# KiCad board rabbit_mask_capacitors_right.kicad_pcb (continued)
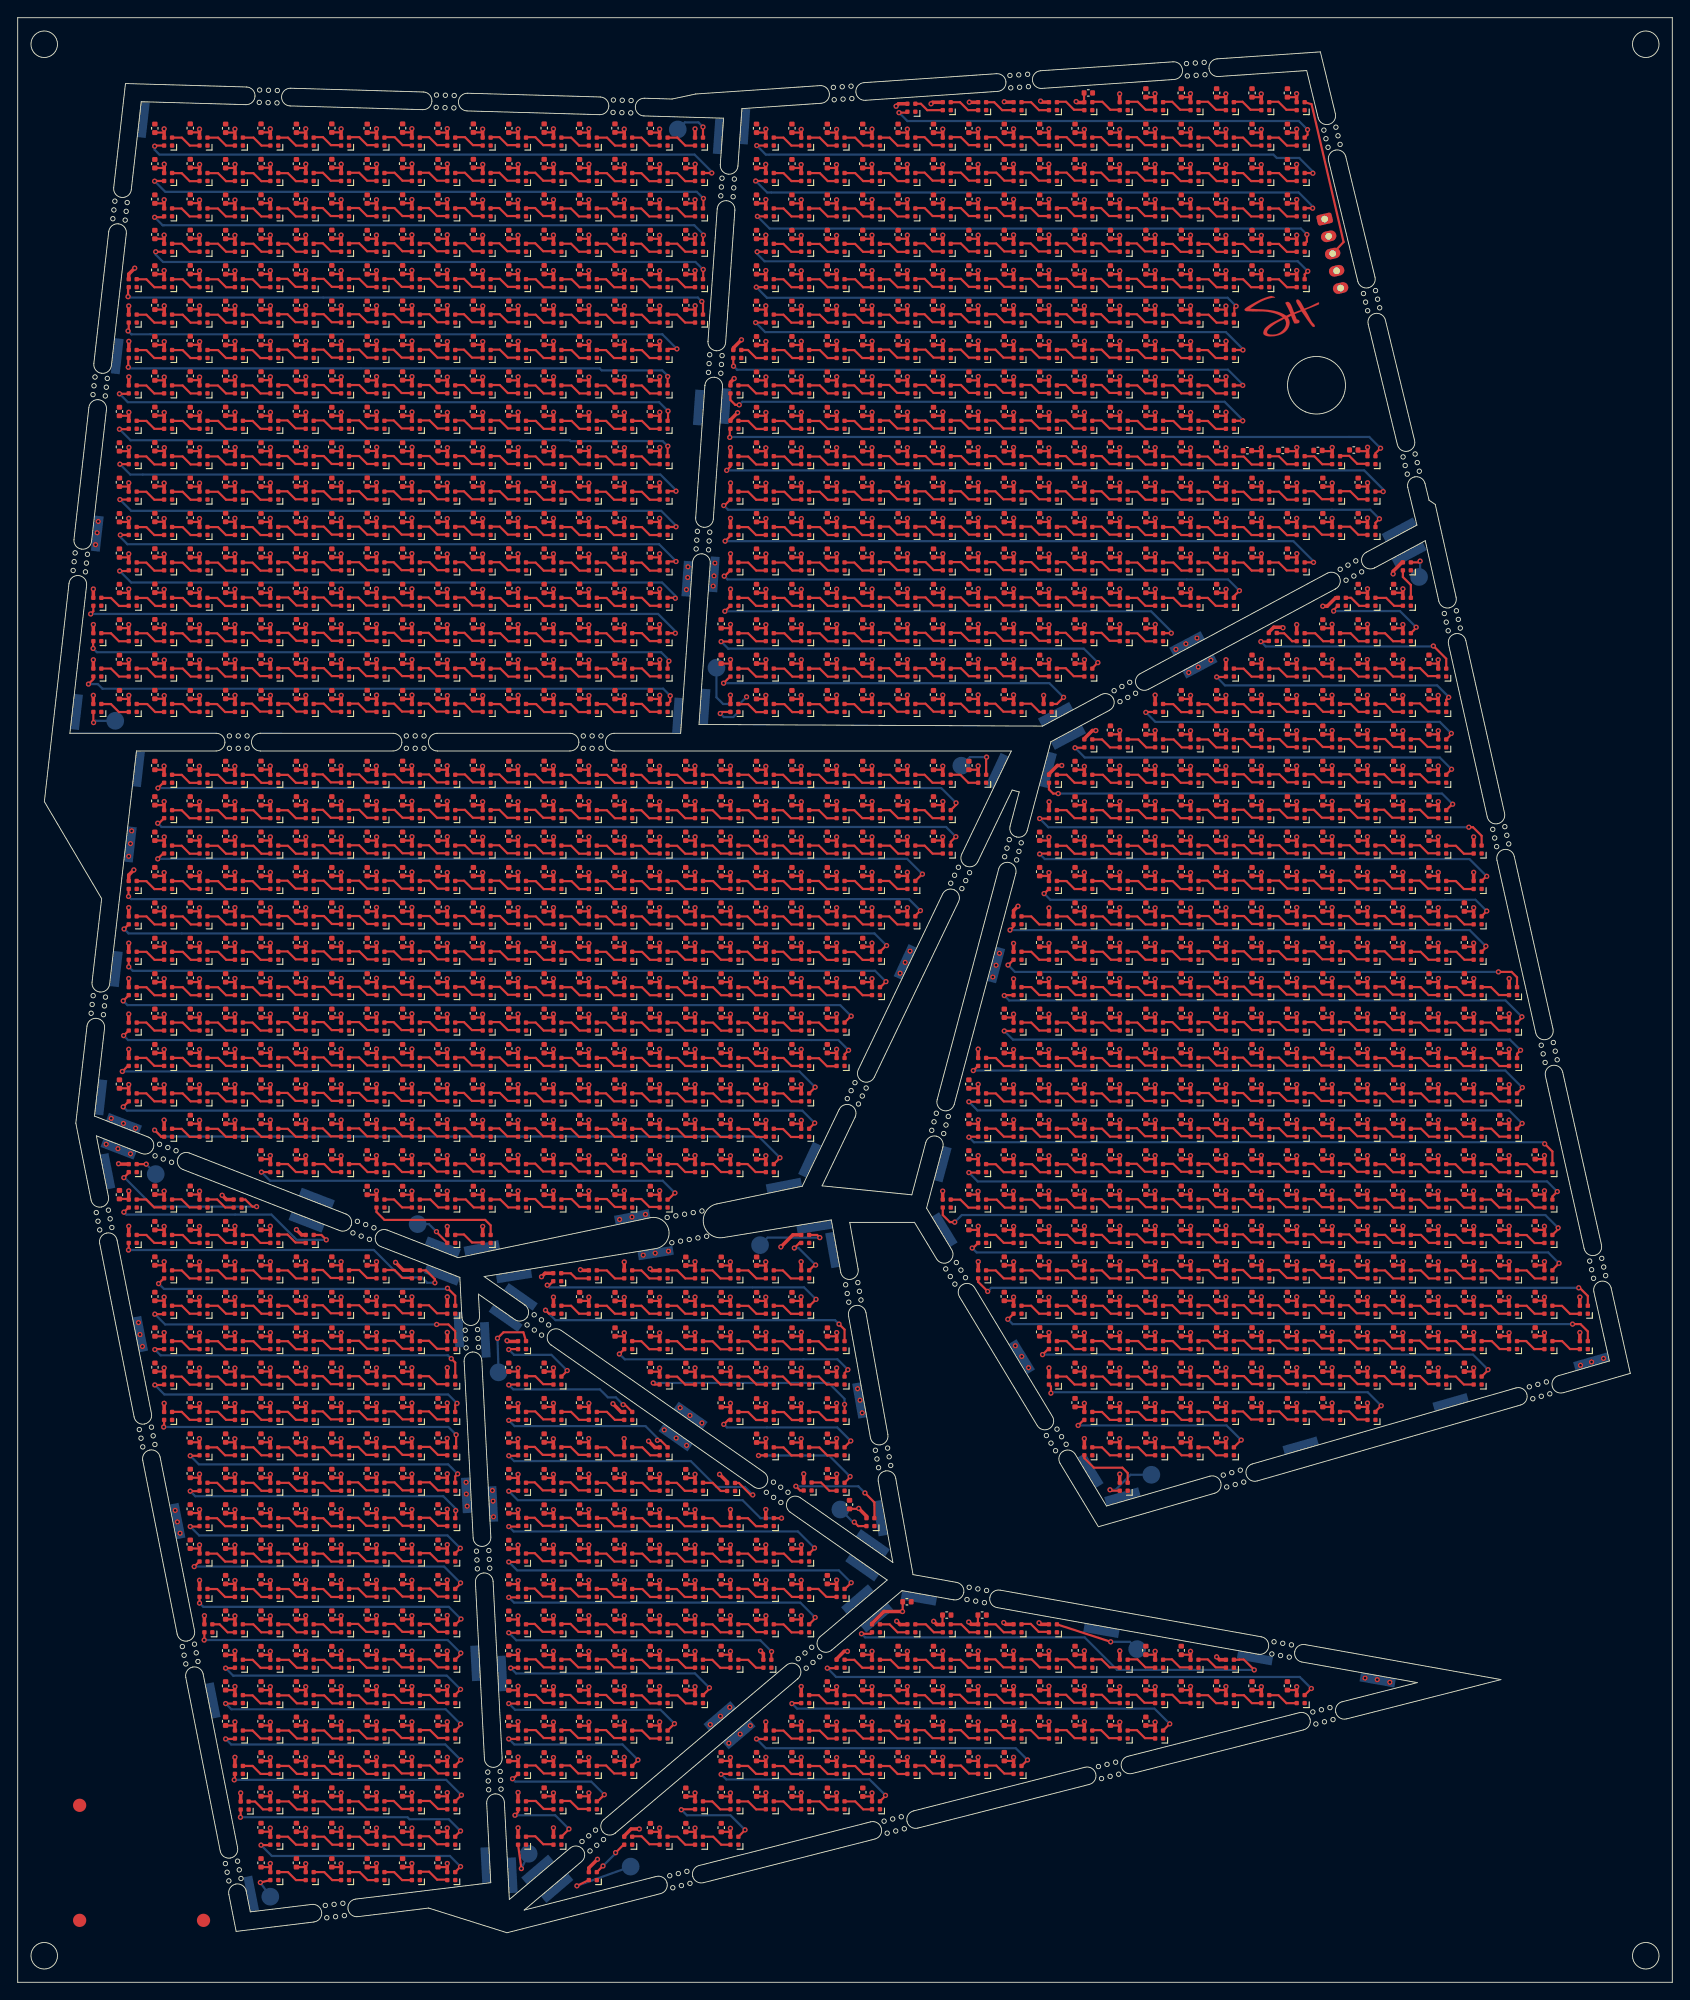
[diagram p0: board, top side]
## Nets (continued)
Net-(D2953-DIN): D2953.1 D2954.3
Net-(D2954-DIN): D2954.1 D2955.3
Net-(D2956-DIN): D2956.1 D2957.3
Net-(D2958-DIN): D2958.1 D2959.3
Net-(D2958-DOUT): D2958.3 D2968.1
Net-(D2959-DIN): D2959.1 D2960.3
Net-(D2960-DIN): D2960.1 D2961.3
Net-(D2962-DIN): D2962.1 D2963.3
Net-(D2963-DIN): D2963.1 D2964.3
Net-(D2964-DIN): D2964.1 D2965.3
Net-(D2965-DIN): D2965.1 D2966.3
Net-(D2966-DIN): D2966.1 D2967.3

## Via types
v1: diameter 0.6, hole 0.3, Top to Bottom, 1803 vias

## Routing (per net, layer and track width the routed paths; a pad name or vN(x,y) marks a point on that pad's centre or on a via; arc(x,y) is an arc through that point)
GND: length 1.3
  Bottom w0.25: v1(82.38,145.25) 81.57,144.45 D1625.4
  vias: v1(8.8,162.45) v1(8.97,163.8) v1(9.1,165.07) v1(10,94.7) v1(10.57,97.62) v1(11.32,94.2) v1(11.95,97.05) v1(12.55,127.23) v1(12.75,128.68) v1(12.75,93.62) v1(12.88,130.11) v1(13.32,96.53) v1(13.65,74.55) v1(13.82,73.2) v1(14.1,71.85) v1(17.8,53.32) v1(18.05,52.03) v1(18.35,50.75) v1(50.68,56.5) v1(50.7,55.18) v1(50.8,53.8) v1(53.65,55.57) v1(53.73,54.38) v1(53.77,52.6) v1(68.02,86.2) v1(69.43,86.47) v1(70.7,82.18) v1(70.95,86.78) v1(72.05,82.4) v1(73.07,62.43) v1(73.55,82.62) v1(74.43,61.5) v1(74.88,64.93) v1(75.57,157.38) v1(75.6,60.68) v1(75.73,158.75) v1(75.75,159.95) v1(75.98,64.05) v1(77.32,63.2) v1(78.27,29.12) v1(78.6,157.78) v1(78.7,158.93) v1(78.8,160.38) v1(79.43,30.07) v1(80.38,27.03) v1(80.48,31.07) v1(81.65,28.05) v1(82.8,29) v1(94.93,67.07) v1(95.2,65.78) v1(95.45,64.35) v1(99.73,114.03) v1(100.3,115.25) v1(100.85,116.53) v1(110.2,113.6) v1(110.57,114.92) v1(110.95,116.28) v1(112.75,71.93) v1(113.48,70.72) v1(114.25,69.45) v1(130.9,150.62) v1(132.02,151.25) v1(132.35,148) v1(133.27,151.9) v1(133.43,148.62) v1(134.85,149.4) v1(152.27,34.38) v1(153.65,34.2) v1(155.07,33.9) v1(176.62,69.72) v1(177.88,70.1) v1(179.23,70.5)
VCC: length 2816.2
  Top w0.25: 151.5,173.02 152.48,173.02 ; C1485#1069.1 72.48,49 ; C1485#902.1 60.48,113.02 ; C1485#964.1 140.48,105.02 ; C1485#146.1 112.48,209.02 ; C1485#1265.1 124.48,89.02 ; C1485#764.1 112.48,37.02 ; C1485#530.1 36.48,193.04 ; 139.5,173.02 140.48,173.02 ; C1485#536.1 120.48,37.02 ; C1485#19.1 116.48,93.02 ; C1485#570.1 136.48,169.02 ; C1485#637.1 96.48,121.02 ; C1485#230.1 36.48,137.04 ; C1485#923.1 140.48,213.02 ; C1485#360.1 20.48,153.02 ; C1485#855.1 120.48,137.02 ; C1485#1305.1 80.48,37.02 ; C1485#655.1 60.48,41 ; C1485#1158.1 48.48,29.02 ; C1485#1004.1 104.48,157.02 ; C1485#1133.1 24.48,209.02 ; C1485#341.1 48.48,41.02 ; 143.5,173.02 144.48,173.02 ; C1485#847.1 28.48,61.02 ; C1485#1091.1 24.48,145.04 ; C1485#58.1 24.48,45.02 ; C1485#725.1 84.48,157.02 ; C1485#1285.1 128.48,197.02 ; C1485#50.1 144.48,85.02 ; C1485#24.1 48.48,25 ; C1485#1155.1 88.48,209.02 ; C1485#470.1 68.48,145.02 ; C1485#841.1 112.48,201.02 ; C1485#52.1 84.48,201.02 ; C1485#204.1 164.48,117.02 ; C1485#976.1 156.48,97.02 ; C1485#502.1 32.48,57.02 ; C1485#708.1 100.48,129.02 ; C1485#86.1 76.48,125.02 ; C1485#456.1 56.48,33 ; C1485#1030.1 132.48,193.02 ; C1485#1223.1 96.48,209.02 ; C1485#915.1 68.48,29.02 ; C1485#1180.1 40.48,145.04 ; C1485#137.1 100.48,121.02 ; C1485#207.1 28.49,73 ; C1485#234.1 100.48,185.02 ; C1485#891.1 24.48,161.04 ; C1485#187.1 120.48,173.02 ; C1485#121.1 128.48,141.02 ; C1485#129.1 136.48,69.02 ; C1485#339.1 136.48,133.02 ; C1485#184.1 32.48,173.04 ; C1485#1350.1 68.48,89 ; C1485#943.1 92.48,133.02 ; C1485#1264.1 56.48,109.02 ; C1485#639.1 60.48,101.02 ; C1485#25.1 36.48,25 ; C1485#918.1 32.48,77.02 ; C1485#857.1 132.48,213.02 ; C1485#423.1 136.48,137.02 ; C1485#740.1 96.48,185.02 ; C1485#452.1 100.48,197.02 ; C1485#262.1 60.48,89 ; C1485#671.1 84.48,165.02 ; C1485#806.1 44.48,165.02 ; C1485#679.1 144.48,73.02 ; C1485#559.1 52.48,145.02 ; C1485#449.1 112.48,185.02 ; C1485#1301.1 144.48,129.02 ; C1485#549.1 72.48,45 ; C1485#265.1 20.48,169.02 ; C1485#1181.1 160.48,85.02 ; C1485#579.1 12.48,145.02 ; C1485#350.1 72.48,201.02 ; C1485#1185.1 28.48,93.02 ; C1485#1372.1 20.48,137.04 ; C1485#572.1 148.48,137.02 ; C1485#484.1 128.48,89.02 ; C1485#57.1 44.48,133.02 ; C1485#199.1 64.49,77 ; C1485#548.1 140.48,201.02 ; C1485#1119.1 116.48,149.02 ; C1485#629.1 84.48,113.02 ; C1485#884.1 140.48,109.02 ; C1485#539.1 128.48,85.02 ; C1485#1214.1 124.48,61.02 ; C1485#991.1 24.48,201.02 ; C1485#625.1 56.48,133.02 ; C1485#1250.1 140.48,193.02 ; C1485#1022.1 24.48,53.02 ; C1485#302.1 60.48,69.02 ; C1485#1232.1 100.48,181.02 ; C1485#577.1 120.48,33.02 ; C1485#1346.1 92.48,145.02 ; C1485#543.1 40.48,165.04 ; C1485#609.1 28.48,65.02 ; C1485#378.1 148.48,109.02 ; C1485#896.1 140.48,85.02 ; C1485#359.1 96.48,177.02 ; C1485#907.1 24.48,149.04 ; C1485#593.1 144.48,65.02 ; C1485#645.1 120.48,201.02 ; C1485#542.1 132.48,161.02 ; C1485#1379.1 144.48,137.02 ; C1485#799.1 152.48,101.02 ; C1485#60.1 128.48,37.02 ; C1485#477.1 88.48,113.02 ; C1485#1183.1 156.48,69.02 ; C1485#141.1 92.48,161.02 ; C1485#766.1 16.48,85.02 ; C1485#698.1 16.48,205.02 ; C1485#1240.1 32.48,193.02 ; C1485#164.1 152.48,109.02 ; C1485#1125.1 152.48,145.02 ; C1485#523.1 108.48,29.02 ; C1485#91.1 148.48,141.02 ; C1485#1377.1 160.48,97.02 ; C1485#669.1 16.48,177.04 ; C1485#353.1 152.48,77.02 ; C1485#906.1 32.48,201.02 ; C1485#878.1 168.48,81.02 ; C1485#201.1 24.48,77.02 ; C1485#922.1 36.48,149.02 ; C1485#1032.1 136.48,173.02 ; C1485#506.1 40.48,133.02 ; C1485#372.1 56.48,25 ; C1485#343.1 28.48,145.02 ; C1485#931.1 44.48,41.02 ; C1485#395.1 84.48,149.02 ; C1485#988.1 104.52,40.52 ; C1485#938.1 28.48,45.02 ; C1485#631.1 148.48,89.02 ; C1485#88.1 104.48,129.02 ; C1485#323.1 56.48,189.02 ; C1485#390.1 112.48,173.02 ; C1485#750.1 92.48,129.02 ; C1485#810.1 24.48,49.02 ; C1485#1218.1 48.48,109.02 ; C1485#1188.1 64.48,33 ; C1485#300.1 20.48,161.02 ; C1485#771.1 32.48,49.02 ; C1485#588.1 44.48,113.02 ; C1485#580.1 80.49,21 ; C1485#407.1 140.48,113.02 ; C1485#869.1 88.48,157.02 ; C1485#955.1 56.48,137.02 ; C1485#166.1 92.48,149.02 ; C1485#163.1 96.48,197.02 ; C1485#1341.1 96.48,157.02 ; C1485#101.1 132.48,209.02 ; C1485#89.1 48.48,149.04 ; C1485#507.1 92.48,173.02 ; C1485#765.1 36.48,57.02 ; C1485#1039.1 160.48,137.02 ; C1485#794.1 64.48,25 ; C1485#203.1 28.48,193.04 ; C1485#1043.1 28.48,137.04 ; C1485#531.1 104.48,177.02 ; C1485#782.1 124.48,165.02 ; C1485#565.1 148.48,125.02 ; C1485#488.1 116.48,73.02 ; C1485#68.1 24.48,85.02 ; C1485#1253.1 80.48,133.02 ; C1485#416.1 40.48,173.04 ; C1485#138.1 108.48,161.02 ; C1485#1256.1 32.48,137.02 ; C1485#666.1 152.48,121.02 ; C1485#1012.1 116.48,153.02 ; C1485#1038.1 16.49,73 ; C1485#1152.1 80.48,125.02 ; C1485#843.1 92.48,205.02 ; C1485#1338.1 68.48,93.02 ; C1485#805.1 92.49,57 ; C1485#519.1 68.48,201.04 ; C1485#425.1 164.48,121.02 ; C1485#807.1 116.48,117.02 ; C1485#1257.1 128.48,113.02 ; C1485#541.1 32.49,73 ; C1485#899.1 48.48,169.04 ; C1485#179.1 36.48,201.04 ; C1485#135.1 132.48,121.02 ; C1485#98.1 108.48,205.02 ; C1485#178.1 60.48,61.02 ; C1485#1045.1 172.48,81.02 ; C1485#278.1 120.48,153.02 ; C1485#596.1 52.48,209.04 ; C1485#1258.1 88.48,181.02 ; C1485#1296.1 16.48,173.04 ; C1485#307.1 40.48,49.02 ; C1485#180.1 36.48,77.02 ; C1485#165.1 120.48,77.02 ; C1485#435.1 56.48,53 ; C1485#1169.1 20.48,105.02 ; C1485#804.1 136.48,121.02 ; C1485#1331.1 76.48,93.02 ; C1485#492.1 16.48,137.02 ; C1485#235.1 60.48,153.02 ; C1485#1358.1 128.48,73.02 ; C1485#1111.1 140.48,33.02 ; C1485#710.1 72.48,209.02 ; C1485#296.1 80.48,105.02 ; C1485#1374.1 164.48,105.02 ; C1485#1066.1 120.48,133.02 ; C1485#400.1 36.48,133.02 ; C1485#186.1 132.48,133.02 ; C1485#591.1 68.48,53 ; C1485#1207.1 108.48,181.02 ; C1485#185.1 60.48,157.02 ; C1485#1057.1 120.48,189.02 ; C1485#442.1 116.48,157.02 ; C1485#401.1 40.49,97.02 ; C1485#397.1 104.48,145.02 ; C1485#974.1 28.48,81.02 ; C1485#81.1 88.49,97.02 ; C1485#438.1 28.48,125.02 ; C1485#20.1 164.48,85.02 ; C1485#1061.1 152.48,65.02 ; C1485#1196.1 92.48,181.02 ; C1485#1131.1 156.48,145.02 ; C1485#194.1 164.48,109.02 ; C1485#205.1 72.48,117.02 ; C1485#139.1 40.48,177.04 ; C1485#115.1 92.48,153.02 ; C1485#366.1 60.48,33 ; C1485#958.1 76.48,37 ; C1485#636.1 48.49,97.02 ; C1485#1049.1 32.48,125.02 ; C1485#660.1 28.48,109.02 ; C1485#832.1 120.48,65.02 ; C1485#620.1 48.48,93.02 ; C1485#797.1 120.48,177.02 ; C1485#1035.1 52.48,105.02 ; C1485#1348.1 56.48,201.02 ; C1485#1065.1 144.48,201.02 ; C1485#7.1 72.49,97.02 ; C1485#604.1 136.48,117.02 ; C1485#1017.1 100.48,149.02 ; C1485#83.1 140.48,133.02 ; C1485#873.1 132.48,125.02 ; C1485#1114.1 88.48,41 ; C1485#1334.1 92.48,25.02 ; C1485#191.1 124.48,141.02 ; C1485#643.1 48.48,145.04 ; C1485#306.1 88.48,197.02 ; C1485#969.1 124.48,85.02 ; C1485#211.1 20.48,189.04 ; C1485#993.1 36.48,113.02 ; C1485#1212.1 52.48,153.02 ; C1485#1137.1 64.48,37 ; C1485#739.1 132.48,181.02 ; C1485#908.1 144.48,133.02 ; C1485#854.1 36.48,209.04 ; C1485#1371.1 44.48,45.02 ; C1485#1249.1 36.48,65.02 ; C1485#1157.1 52.48,117.02 ; C1485#1118.1 36.48,41.02 ; C1485#1081.1 80.48,129.02 ; C1485#1227.1 160.48,133.02 ; C1485#1243.1 116.48,197.02 ; C1485#821.1 32.48,45.02 ; C1485#290.1 152.48,137.02 ; C1485#1322.1 144.48,197.02 ; C1485#93.1 52.49,97.02 ; C1485#399.1 160.48,145.02 ; C1485#1354.1 28.48,173.02 ; C1485#856.1 48.48,125.02 ; C1485#858.1 144.48,161.02 ; C1485#733.1 92.48,209.02 ; C1485#653.1 120.52,212.52 ; C1485#328.1 124.48,101.02 ; C1485#188.1 68.48,105.02 ; C1485#236.1 52.48,205.04 ; C1485#852.1 56.48,177.04 ; C1485#1055.1 96.48,129.02 ; C1485#1101.1 32.48,41.02 ; C1485#1347.1 40.48,181.02 ; C1485#424.1 136.48,85.02 ; C1485#1209.1 12.48,173.02 ; C1485#351.1 28.48,189.04 ; C1485#1085.1 32.48,169.04 ; C1485#516.1 28.48,21.02 ; C1485#681.1 132.48,177.02 ; C1485#1126.1 80.49,65 ; C1485#737.1 144.48,125.02 ; C1485#1309.1 132.48,105.02 ; C1485#746.1 28.48,57.02 ; C1485#64.1 124.48,173.02 ; C1485#1332.1 28.49,69.02 ; C1485#709.1 68.49,73 ; C1485#386.1 116.48,97.02 ; C1485#76.1 128.48,93.02 ; C1485#433.1 28.48,13.02 ; C1485#1082.1 32.48,113.02 ; C1485#169.1 120.48,149.02 ; C1485#240.1 28.48,29.02 ; C1485#827.1 16.48,77.02 ; C1485#8.1 112.48,149.02 ; C1485#155.1 160.48,105.02 ; C1485#355.1 140.48,125.02 ; C1485#569.1 36.48,197.04 ; C1485#717.1 136.48,177.02 ; C1485#1313.1 92.48,125.02 ; C1485#1368.1 16.48,181.02 ; C1485#558.1 48.48,165.04 ; C1485#1132.1 112.48,165.02 ; C1485#1127.1 64.48,21.02 ; C1485#1149.1 72.48,133.02 ; C1485#134.1 56.48,121.02 ; C1485#95.1 92.48,185.02 ; C1485#1179.1 36.48,101.02 ; C1485#914.1 104.48,149.02 ; C1485#1193.1 24.48,29.02 ; C1485#1140.1 44.48,125.02 ; C1485#649.1 156.48,117.02 ; C1485#587.1 56.48,157.04 ; C1485#1317.1 120.48,97.02 ; C1485#585.1 124.48,109.02 ; C1485#1130.1 168.48,77.02 ; C1485#729.1 144.48,89.02 ; C1485#496.1 136.48,209.02 ; C1485#1079.1 116.48,101.02 ; C1485#1153.1 32.48,81.02 ; C1485#273.1 92.49,61 ; C1485#418.1 112.48,193.02 ; C1485#55.1 104.48,181.02 ; C1485#1282.1 36.48,181.04 ; C1485#237.1 52.48,137.04 ; C1485#836.1 68.48,109.02 ; C1485#111.1 108.52,40.52 ; C1485#741.1 64.48,133.02 ; C1485#183.1 76.48,197.02 ; C1485#44.1 16.48,157.04 ; C1485#409.1 124.48,157.02 ; C1485#450.1 44.48,189.04 ; C1485#271.1 112.48,197.02 ; C1485#1244.1 28.48,37 ; C1485#1241.1 60.48,193.04 ; C1485#332.1 72.48,109.02 ; C1485#872.1 156.48,149.02 ; C1485#921.1 140.48,129.02 ; C1485#652.1 164.48,69.02 ; C1485#999.1 108.48,169.02 ; C1485#295.1 72.48,153.02 ; C1485#600.1 60.48,25 ; C1485#102.1 112.48,189.02 ; C1485#527.1 12.48,101.02 ; C1485#5.1 24.48,197.02 ; C1485#1325.1 76.48,205.02 ; C1485#1208.1 16.48,189.02 ; C1485#932.1 24.48,113.02 ; C1485#149.1 104.48,133.02 ; C1485#1086.1 64.48,49 ; C1485#582.1 60.48,201.04 ; C1485#791.1 156.48,113.02 ; C1485#112.1 128.48,177.02 ; C1485#634.1 72.49,77 ; C1485#116.1 88.49,65 ; C1485#545.1 56.48,69.02 ; C1485#590.1 136.48,141.02 ; C1485#813.1 84.48,193.02 ; C1485#429.1 52.48,189.04 ; C1485#1160.1 80.49,97.02 ; C1485#594.1 48.48,89 ; C1485#1259.1 100.48,169.02 ; C1485#687.1 92.48,29.02 ; C1485#817.1 36.48,93.02 ; C1485#1143.1 64.48,45 ; C1485#1047.1 132.48,201.02 ; C1485#427.1 84.48,185.02 ; C1485#839.1 48.48,61.02 ; C1485#633.1 96.48,189.02 ; C1485#835.1 36.48,33.02 ; C1485#731.1 36.48,205.04 ; C1485#960.1 124.48,65.02 ; C1485#1078.1 88.48,149.02 ; C1485#1229.1 168.48,85.02 ; C1485#956.1 24.48,169.04 ; C1485#893.1 132.48,85.02 ; C1485#197.1 132.48,189.02 ; C1485#1210.1 28.48,133.02 ; C1485#34.1 96.48,181.02 ; C1485#532.1 104.48,25.02 ; C1485#195.1 152.48,69.02 ; C1485#1308.1 124.48,97.02 ; C1485#280.1 44.48,121.02 ; C1485#255.1 132.48,185.02 ; C1485#1187.1 160.48,89.02 ; C1485#534.1 100.48,201.02 ; C1485#80.1 68.48,41 ; C1485#1044.1 84.48,109.02 ; C1485#94.1 120.48,121.02 ; C1485#721.1 60.48,45 ; C1485#939.1 116.48,109.02 ; C1485#388.1 72.48,105.02 ; C1485#79.1 84.48,189.02 ; C1485#1239.1 32.48,37 ; C1485#32.1 88.48,29.02 ; C1485#382.1 84.49,73 ; C1485#9.1 28.48,121.02 ; C1485#1221.1 116.48,89.02 ; C1485#97.1 84.48,209.02 ; C1485#667.1 28.48,149.02 ; C1485#123.1 88.48,177.02 ; C1485#1363.1 56.48,125.02 ; C1485#1014.1 76.49,73 ; C1485#104.1 108.48,193.02 ; C1485#54.1 112.48,93.02 ; C1485#971.1 44.48,37 ; C1485#267.1 60.48,209.04 ; C1485#460.1 84.48,197.02 ; C1485#826.1 24.48,165.04 ; C1485#56.1 140.48,165.02 ; C1485#369.1 64.48,157.04 ; C1485#834.1 76.48,53 ; C1485#216.1 144.48,77.02 ; C1485#1203.1 60.49,97.02 ; C1485#1141.1 124.48,113.02 ; C1485#970.1 44.48,169.02 ; C1485#1167.1 52.48,165.02 ; C1485#1213.1 40.48,205.02 ; C1485#522.1 32.48,145.04 ; C1485#29.1 52.48,201.04 ; C1485#812.1 32.48,65.02 ; C1485#337.1 140.48,117.02 ; C1485#946.1 108.48,209.02 ; C1485#454.1 32.48,109.02 ; C1485#157.1 112.48,89.02 ; C1485#715.1 24.48,153.04 ; C1485#22.1 132.48,37.02 ; C1485#980.1 52.48,89 ; C1485#69.1 112.48,169.02 ; C1485#1356.1 72.48,137.02 ; C1485#972.1 120.48,93.02 ; C1485#551.1 136.48,113.02 ; C1485#912.1 64.48,93.02 ; C1485#775.1 96.48,201.02 ; C1485#1278.1 20.48,133.02 ; C1485#962.1 120.48,185.02 ; C1485#1135.1 108.48,197.02 ; C1485#1106.1 68.49,77 ; C1485#1162.1 36.48,37 ; C1485#965.1 76.48,49 ; C1485#1000.1 64.48,189.02 ; C1485#953.1 24.48,61.02 ; C1485#860.1 136.48,197.02 ; C1485#927.1 152.48,125.02 ; C1485#1029.1 88.49,69 ; C1485#1164.1 124.48,29.02 ; C1485#996.1 108.48,149.02 ; C1485#125.1 116.48,205.02 ; C1485#473.1 60.48,29 ; C1485#1103.1 84.48,169.02 ; C1485#75.1 132.48,65.02 ; C1485#1299.1 160.48,93.02 ; C1485#780.1 44.48,21.02 ; C1485#1272.1 68.48,121.02 ; C1485#659.1 136.48,145.02 ; C1485#471.1 56.48,165.04 ; C1485#941.1 140.48,97.02 ; C1485#298.1 48.48,205.02 ; C1485#1349.1 144.48,93.02 ; C1485#535.1 64.48,153.04 ; C1485#1090.1 96.48,145.02 ; C1485#1237.1 128.48,105.02 ; C1485#448.1 48.48,45.02 ; C1485#233.1 112.48,205.02 ; C1485#461.1 60.48,129.02 ; C1485#1173.1 100.48,25.02 ; C1485#767.1 84.48,101.02 ; C1485#1195.1 52.48,121.02 ; C1485#1145.1 88.48,201.02 ; C1485#1289.1 148.48,81.02 ; C1485#37.1 116.48,33.02 ; C1485#690.1 152.48,133.02 ; C1485#933.1 36.48,169.02 ; C1485#1192.1 48.48,185.02 ; C1485#924.1 88.48,133.02 ; C1485#143.1 52.48,181.04 ; C1485#229.1 92.48,197.02 ; C1485#414.1 132.48,197.02 ; C1485#363.1 40.48,41.02 ; C1485#705.1 20.48,193.04 ; C1485#990.1 72.48,33 ; C1485#244.1 52.48,173.02 ; C1485#1060.1 48.48,113.02 ; C1485#864.1 120.48,109.02 ; C1485#814.1 44.48,49.02 ; C1485#209.1 72.48,197.02 ; C1485#525.1 28.48,185.04 ; C1485#217.1 60.48,149.02 ; C1485#935.1 164.48,73.02 ; C1485#1228.1 28.48,85.02 ; C1485#1006.1 132.48,145.02 ; C1485#1018.1 96.48,193.02 ; C1485#263.1 144.48,113.02 ; C1485#358.1 28.48,129.02 ; C1485#193.1 48.48,65.02 ; C1485#968.1 100.48,125.02 ; C1485#380.1 36.48,49.02 ; C1485#1015.1 140.48,89.02 ; C1485#100.1 32.48,149.04 ; C1485#975.1 152.48,169.02 ; C1485#51.1 68.48,137.04 ; C1485#642.1 32.48,29.02 ; C1485#2.1 60.48,165.02 ; C1485#1375.1 108.48,89.02 ; C1485#950.1 144.48,33.02 ; C1485#897.1 104.48,169.02 ; C1485#755.1 140.48,197.02 ; C1485#696.1 104.48,193.02 ; C1485#792.1 160.48,77.02 ; C1485#646.1 84.48,117.02 ; C1485#177.1 156.48,81.02 ; C1485#6.1 68.48,45 ; C1485#1254.1 80.48,101.02 ; C1485#192.1 136.48,125.02 ; C1485#940.1 56.48,89 ; C1485#1311.1 80.48,153.02 ; C1485#77.1 152.48,129.02 ; C1485#1067.1 116.48,181.02 ; C1485#340.1 36.48,29.02 ; C1485#732.1 44.48,93.02 ; C1485#1159.1 40.48,137.02 ; C1485#26.1 16.48,81.02 ; C1485#1122.1 136.48,213.02 ; C1485#879.1 116.48,169.02 ; C1485#305.1 108.48,177.02 ; C1485#320.1 64.48,165.04 ; C1485#472.1 172.48,73.02 ; C1485#467.1 48.48,53.02 ; C1485#1303.1 52.48,193.04 ; C1485#334.1 100.48,193.02 ; C1485#678.1 32.48,197.02 ; C1485#702.1 56.48,193.02 ; C1485#1268.1 104.48,209.02 ; C1485#603.1 88.48,173.02 ; C1485#1026.1 164.48,93.02 ; C1485#447.1 36.49,73 ; C1485#615.1 136.48,65.02 ; C1485#849.1 160.48,109.02 ; C1485#288.1 104.48,205.02 ; C1485#863.1 76.49,21 ; C1485#547.1 24.48,101.02 ; C1485#512.1 24.49,97.02 ; C1485#853.1 112.48,177.02 ; C1485#1197.1 56.48,45 ; C1485#769.1 76.48,117.02 ; C1485#41.1 76.48,193.02 ; C1485#133.1 32.48,157.04 ; C1485#1175.1 68.48,125.02 ; C1485#249.1 124.48,105.02 ; C1485#868.1 124.48,209.02 ; C1485#818.1 68.48,189.04 ; C1485#883.1 68.48,101.02 ; C1485#370.1 32.48,129.02 ; C1485#693.1 92.48,117.02 ; C1485#1021.1 132.48,165.02 ; C1485#413.1 88.48,101.02 ; C1485#311.1 148.48,169.02 ; C1485#82.1 44.49,73 ; C1485#909.1 144.48,69.02 ; C1485#364.1 68.48,169.02 ; C1485#375.1 132.48,117.02 ; C1485#501.1 144.48,169.02 ; C1485#1059.1 136.48,105.02 ; C1485#1319.1 84.49,69 ; C1485#1238.1 40.48,57.02 ; C1485#1019.1 48.48,193.02 ; C1485#1077.1 32.48,185.02 ; C1485#650.1 32.48,181.02 ; C1485#1011.1 116.48,161.02 ; C1485#499.1 104.48,201.02 ; C1485#246.1 108.48,25.02 ; C1485#773.1 72.48,37 ; C1485#881.1 116.48,113.02 ; C1485#1251.1 128.48,125.02 ; C1485#567.1 116.48,185.02 ; C1485#616.1 168.48,109.02 ; C1485#376.1 136.48,165.02 ; C1485#1263.1 120.48,85.02 ; C1485#1117.1 80.48,93.02 ; C1485#1005.1 16.48,113.02 ; C1485#795.1 72.48,93.02 ; 147.5,173.02 148.48,173.02 ; C1485#1288.1 124.48,137.02 ; C1485#533.1 24.48,129.02 ; C1485#14.1 68.48,57 ; C1485#592.1 140.48,141.02 ; C1485#391.1 40.48,113.02 ; C1485#699.1 52.48,129.02 ; C1485#403.1 124.48,81.02 ; C1485#462.1 128.48,209.02 ; C1485#1168.1 40.48,53.02 ; C1485#92.1 48.48,137.02 ; C1485#289.1 140.48,137.02 ; C1485#632.1 56.48,185.02 ; C1485#1023.1 20.49,73 ; C1485#1329.1 48.48,189.02 ; C1485#1281.1 24.48,133.02 ; C1485#768.1 16.48,193.02 ; C1485#831.1 88.48,189.02 ; C1485#161.1 44.48,109.02 ; C1485#1110.1 36.48,61.02 ; C1485#859.1 120.48,181.02 ; C1485#494.1 160.48,73.02 ; C1485#268.1 96.48,37.02 ; C1485#862.1 36.49,97.02 ; C1485#1312.1 88.48,193.02 ; C1485#901.1 120.48,89.02 ; C1485#753.1 68.49,97.02 ; C1485#107.1 88.48,105.02 ; C1485#599.1 100.48,153.02 ; C1485#40.1 40.48,61.02 ; C1485#957.1 132.48,137.02 ; C1485#608.1 32.48,209.02 ; C1485#1007.1 100.48,157.02 ; C1485#546.1 76.48,133.02 ; C1485#1053.1 64.48,177.04 ; C1485#326.1 32.48,165.04 ; C1485#279.1 96.48,173.02 ; C1485#66.1 148.48,97.02 ; C1485#153.1 108.48,173.02 ; C1485#656.1 64.48,57 ; C1485#354.1 100.02,42.02 ; C1485#12.1 132.48,97.02 ; C1485#1360.1 96.48,125.02 ; C1485#286.1 120.48,73.02 ; C1485#310.1 164.48,97.02 ; C1485#1177.1 80.49,81 ; C1485#1113.1 136.48,161.02 ; C1485#338.1 68.48,37 ; C1485#336.1 152.48,141.02 ; C1485#838.1 20.49,97.02 ; C1485#250.1 12.48,169.02 ; C1485#1314.1 36.48,189.04 ; C1485#925.1 144.48,165.02 ; C1485#945.1 48.48,129.02 ; C1485#1001.1 92.49,69 ; C1485#758.1 48.48,21.02 ; C1485#136.1 144.48,101.02 ; C1485#78.1 20.48,81.02 ; C1485#315.1 28.48,101.02 ; C1485#28.1 40.48,157.04 ; C1485#349.1 156.48,77.02 ; C1485#556.1 136.48,193.02 ; C1485#614.1 60.48,53 ; C1485#723.1 156.48,109.02 ; C1485#144.1 48.48,201.02 ; C1485#396.1 136.48,109.02 ; C1485#1024.1 40.48,33.02 ; C1485#1204.1 140.48,169.02 ; C1485#680.1 56.48,145.04 ; C1485#1327.1 40.48,121.02 ; C1485#1178.1 88.48,153.02 ; C1485#712.1 52.48,149.02 ; C1485#1320.1 94.99,53.5 ; C1485#563.1 72.48,157.02 ; C1485#617.1 140.48,161.02 ; C1485#1076.1 64.49,97.02 ; C1485#1161.1 128.48,189.02 ; C1485#368.1 48.48,157.04 ; C1485#937.1 148.48,113.02 ; C1485#486.1 24.48,33.02 ; C1485#1013.1 148.48,121.02 ; C1485#1194.1 36.48,185.04 ; C1485#215.1 128.48,185.02 ; C1485#811.1 116.48,125.02 ; C1485#357.1 140.48,209.02 ; C1485#99.1 12.48,88.52 ; C1485#809.1 76.48,129.02 ; C1485#214.1 40.48,189.02 ; C1485#1139.1 120.48,69.02 ; C1485#985.1 160.48,101.02 ; C1485#487.1 32.48,53.02 ; C1485#1270.1 60.48,105.02 ; C1485#508.1 128.48,109.02 ; C1485#316.1 128.48,81.02 ; C1485#913.1 56.48,153.04 ; C1485#772.1 64.48,129.02 ; C1485#1096.1 48.48,117.02 ; C1485#1370.1 104.48,173.02 ; C1485#552.1 124.48,161.02 ; C1485#1134.1 140.48,149.02 ; C1485#716.1 32.48,13.02 ; C1485#480.1 76.49,17 ; C1485#274.1 80.49,73 ; C1485#714.1 80.48,109.02 ; C1485#74.1 128.48,69.02 ; C1485#63.1 24.48,177.04 ; C1485#819.1 128.48,77.02 ; C1485#206.1 108.48,85.02 ; C1485#867.1 44.48,173.02 ; C1485#967.1 140.48,73.02 ; C1485#738.1 164.48,89.02 ; C1485#670.1 144.48,145.02 ; C1485#1027.1 88.49,61 ; C1485#352.1 116.48,105.02 ; C1485#489.1 16.48,185.02 ; C1485#1294.1 16.48,161.04 ; C1485#495.1 28.48,49.02 ; C1485#398.1 124.48,33.02 ; C1485#325.1 84.48,25.02 ; C1485#845.1 128.48,205.02 ; C1485#713.1 136.48,33.02 ; C1485#31.1 28.48,25 ; C1485#658.1 96.49,21 ; C1485#605.1 72.48,29.02 ; C1485#1156.1 44.48,149.02 ; C1485#459.1 128.48,61.02 ; C1485#674.1 80.48,149.02 ; C1485#15.1 132.48,173.02 ; C1485#36.1 128.48,201.02 ; C1485#475.1 60.48,189.04 ; C1485#1248.1 88.48,129.02 ; C1485#720.1 124.48,121.02 ; C1485#802.1 88.48,117.02 ; C1485#1280.1 172.48,93.02 ; C1485#1295.1 124.48,181.02 ; C1485.1 124.48,133.02 ; C1485#966.1 88.48,137.02 ; C1485#167.1 108.48,153.02 ; C1485#874.1 32.48,189.02 ; C1485#624.1 76.48,101.02 ; C1485#824.1 24.48,189.02 ; C1485#46.1 84.48,161.02 ; C1485#1304.1 52.48,157.02 ; C1485#994.1 116.48,189.02 ; C1485#1099.1 92.48,33.02 ; C1485#1339.1 172.48,85.02 ; C1485#410.1 64.48,197.02 ; C1485#825.1 120.48,113.02 ; C1485#1163.1 40.48,149.04 ; C1485#1041.1 20.48,125.02 ; C1485#557.1 128.48,129.02 ; C1485#779.1 92.49,65 ; C1485#417.1 76.49,97.02 ; C1485#726.1 120.48,125.02 ; C1485#618.1 16.48,121.02 ; C1485#1042.1 136.48,93.02 ;